# Allegro board HY_MPMB_2S12_RZ_V10A.brd (continued)
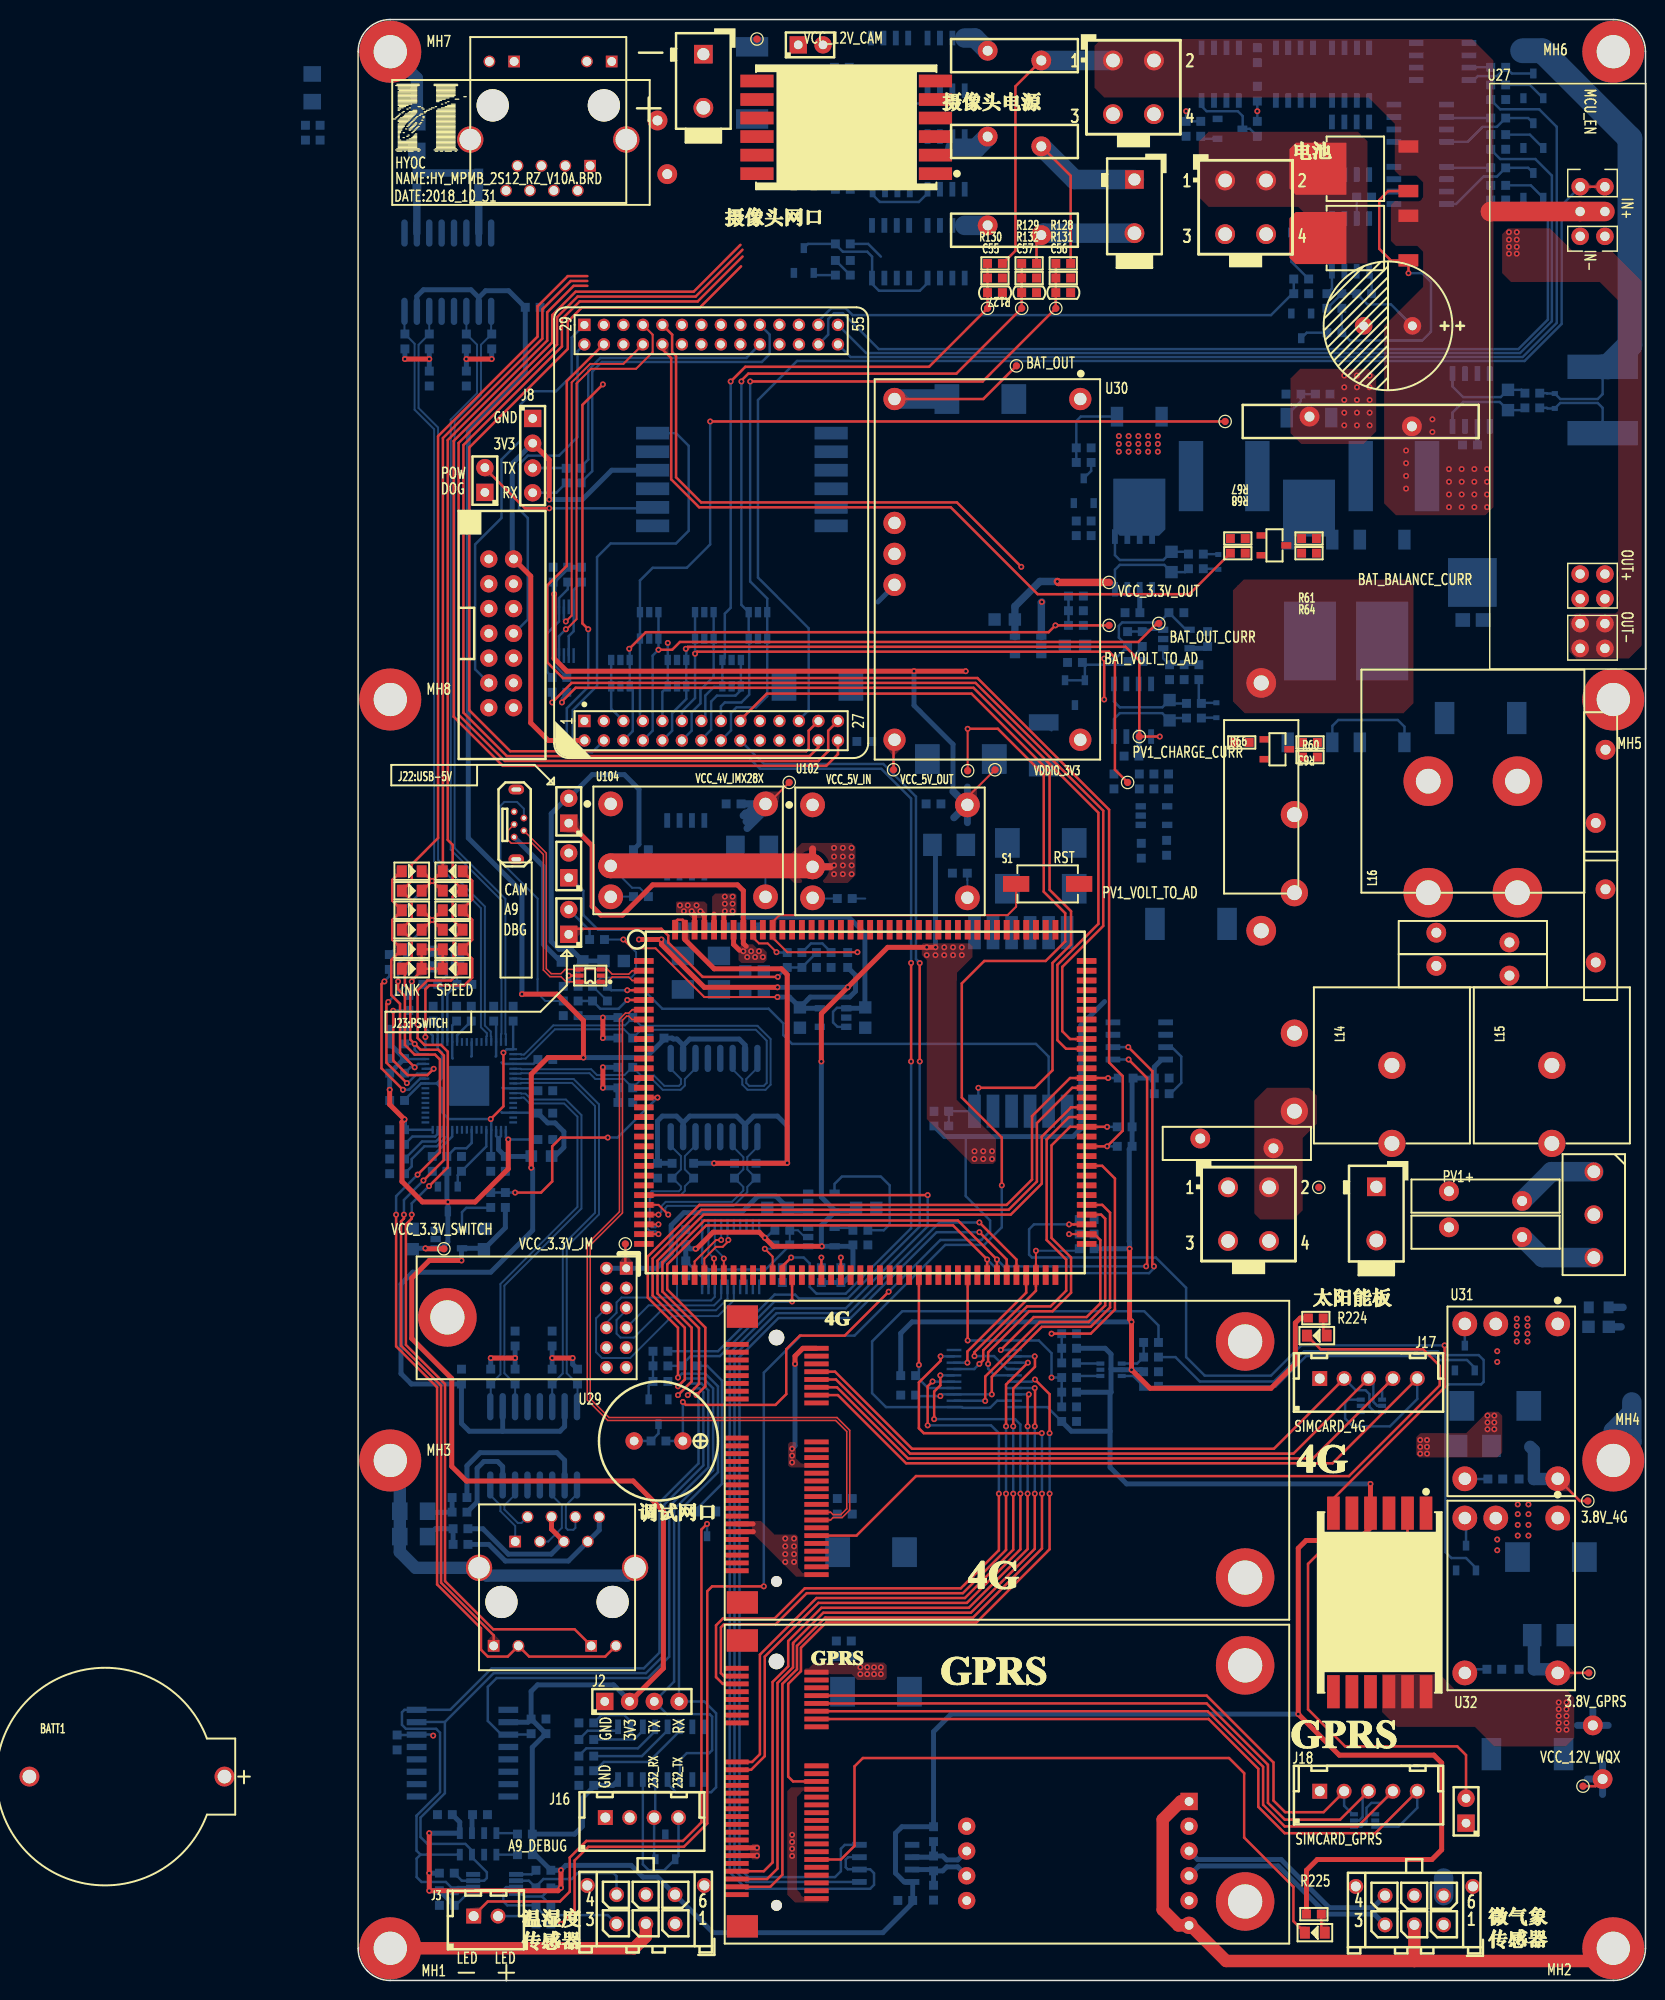
[diagram p0: board, top side]
## Routing (per net, layer and track width the routed paths; a pad name or vN(x,y) marks a point on that pad's centre or on a via; arc(x,y) is an arc through that point) (continued)
N17442473: length 4
  BOTTOM w0.254: R372.1 23.74,107.63 J23.2
N17442741: length 3.8
  BOTTOM w0.254: R373.2 46.44,106.3 47.6,106.3 48.5,105.4 C199.1
N17444856: length 3.8
  BOTTOM w0.254: v1(7.7,25.1) 7.59,25.2 6,25.2 5.96,25.16 C240.1
N17447330: length 14.9
  BOTTOM w0.508: USB1.1 19,114.2 19,106.2 20.7,104.5 L2.2
N17447385: length 2.4
  TOP w0.254: U105.5 v1(21.6,103)
  BOTTOM w0.508: v1(21.6,103) 21.6,102.46 R375.2
N17448107: length 27.6
  BOTTOM w0.203: USB1.4 17,120.1 16.3,120.8 15,120.8 14.6,120.4 14.6,114.7 18.41,110.89 18.41,102.65 18.4,102.64 18.4,101.2 19.2,100.4 R376.2
N17522411: length 35.2
  BOTTOM w1.27: J4.13 27.6,41.5 13.2,41.5 J4.14 5.9,42.3 4.28,43.92 C34.1 C33.1 4.28,52.32 MH3.1
N17531331: length 8.6
  BOTTOM w2: VSR15.1 122.35,82.9 GDT4.1
N17531348: length 8.2
  BOTTOM w2: GDT4.2 121.45,74.1 VSR16.1
N17533848: length 33.3
  TOP w0.254: Q61.1 105.61,183.41 104.7,182.5 104.7,177.5 105.9,176.3 107.67,176.3 Q63.1 107.7,176.3 v1(107.7,175)
  BOTTOM w0.254: v1(107.7,175) 109.1,175 110,174.1 110,169 109.1,168.1 101.7,168.1 100.9,168.9 R378.1 R377.1
N17533868: length 2.9
  BOTTOM w0.254: R378.2 97.27,168.9 Q62.3
N174043278: length 4.9
  BOTTOM w0.254: C7.2 24.96,27.2 27.3,27.2 27.93,26.57 U50.2

## Copper pours and planes (outline as drawn; the poured copper is in the pictures)
3.8V_4G on TOP: 108.9,56.1 113.6,56.1 115.8,58.3 116.9,58.3 117.3,57.9 117.3,54.1 116.8,53.6 108.8,53.6 108.5,53.9 108.5,55.7
3.8V_4G on TOP: 40.4,47.1 41.3,47.1 42.7,45.7 44.9,45.7 45.1,45.5 45.1,42.3 45.6,41.8 48.2,41.8 48.2,41.4 44.9,41.4 40.4,45.9
3.8V_4G on TOP: 44.3,55.2 44.1,55 44.1,52.8 44.3,52.6 48.3,52.6 48.3,53 45.4,53 44.9,53.5 44.9,55.1 44.8,55.2
3.8V_4G on BOTTOM: 115.2,58 115.5,58.3 117,58.3 117.5,57.8 117.5,56.1 120.9,56.1 121.2,55.8 121.2,53 119.8,53 119.2,53.6 115.3,53.6 115.2,53.7
3.8V_4G on BOTTOM: 43.9,42.3 43.2,43 43.2,45.4 43.5,45.7 50,45.7 50.15,45.85 50.15,49.95 50.2,50 47.4,52.8 44.2,52.8 43.9,53.1 43.9,54.9 44,55 49.4,55 55.9,48.5 105.2,48.5 107.7,51 107.7,55.5 108.1,55.9 109.6,55.9 109.9,55.6 109.9,49.9 105.8,45.8 54,45.8 50.5,42.3
3.8V_GPRS on TOP: 45.9,32 46.2,32 46.8,32.6 53.9,32.6 54.2,32.3 54.2,31 54,30.8 51.2,30.8 50.6,31.4 45.8,31.4 45.8,31.9
3.8V_GPRS on TOP: 40.4,14 41,14 41.2,13.8 41.2,12.6 41,12.4 40.3,12.4 40.2,12.5 40.2,13.8
3.8V_GPRS on TOP: 48.2,8 44.8,8 44,8.8 44,19.4 44.4,19.8 48.2,19.8 48.2,19.4 45.6,19.4 45,18.8 45,9.3 45.7,8.6 48.2,8.6
3.8V_GPRS on BOTTOM: 40.8,14.2 43.2,14.2 48.4,19.4 48.4,31.2 50.05,32.85 50.05,35.65 52.8,38.4 119.5,38.4 121.5,36.4 121.5,34.3 57.2,34.3 51,28.1 51,18.9 44.5,12.4 40.7,12.4 40.5,12.6 40.5,13.9
GND_EARTH on BOTTOM: 129.3,122.2 129.3,116.2 126.35,113.25 126.35,109.85 129.3,106.9 129.3,80.8 128.5,80 125.6,80 125,79.4 125,77.4 125.6,76.8 128.5,76.8 129.3,76 129.3,57.5 129.7,57.1 131.3,57.1 131.7,57.5 131.7,132.6 129.9,134.4 127,134.4 125.4,132.8 125.4,126.1
PV1+ on TOP, BOTTOM: 93.2,91.5 97.5,91.5 98.3,90.7 98.3,87.8 96.85,86.35 96.85,78.95 95.9,78 92.5,78 91.9,78.6 91.9,90.2
VBUS_5V on TOP: 39.4,106.2 41.1,106.2 41.9,105.4 41.9,104.6 41.6,104.3 39.3,104.3 39,104.6 39,105.8
VBUS_5V on BOTTOM: 39,102.8 39,105.9 40.4,107.3 40.4,108.5 41.3,108.5 41.3,105.9 42.3,104.9 42.3,102.9 42.2,102.8
VCC_4V_IMX28X on TOP: 36.6,111.4 38.7,111.4 38.8,111.3 38.8,109.4 38.5,109.1 36.5,109.1 36.3,109.3 36.3,111.1
VCC_4V_IMX28X on BOTTOM: 32.6,114.3 38,114.3 39.6,112.7 39.6,107.4 38.1,105.9 38.1,104.1 35.9,104.1 35.9,106.2 37.2,107.5 37.2,111.4 36.2,112.4 32.8,112.4 32.6,112.6
VCC_5V_IN on BOTTOM: 51.3,130.9 49.6,130.9 49.2,131.3 49.2,135.6 41,143.8 41,158 42.3,159.3 50.2,159.3 50.2,154.2 50.1,154.1 46.4,154.1 45.8,153.5 45.8,149.3 56.5,138.6 56.5,126.5 55.9,125.9 52.7,125.9 52.2,126.4 52.2,130
VCC_5V_OUT on BOTTOM: 57.5,130.7 57.5,149.2 56.4,150.3 54.3,150.3 52.4,148.4 46.7,148.4 46.6,148.5 46.6,153.5 46.7,153.6 51.7,153.6 53.2,155.1 60.6,155.1 61.5,154.2 61.5,134.8 63.9,132.4 67.7,132.4 69.5,134.2 69.5,136 69.6,136.1 71.4,136.1 71.8,136.5 71.8,137.2 71.5,137.5 69.5,137.5 69.5,138.1 72.8,138.1 73.1,137.8 73.1,134.4 72.2,134.4 71.9,134.1 71.9,128.8 71.1,128 60.2,128
VCC_12V_WQX on BOTTOM: 122.6,24.7 124.6,24.7 124.6,23.4 125.3,22.7 128.6,22.7 129.3,22 129.3,14 126.1,10.8 113.2,10.8 112.3,9.9 112.3,8.3 111.7,7.7 110.7,7.7 110.2,8.2 110.2,12.2 110.9,12.9 120.6,12.9 122.4,14.7 122.4,24.5
VCC_BAT_O on TOP: 87.2,189.5 102.5,189.5 103.5,188.5 103.5,176 98.1,176 97.5,176.6 97.5,180.7 96.4,181.8 87.2,181.8 86.2,182.8 86.2,188.5
VDDIO_3V3 on TOP: 32.7,110.6 35.5,110.6 35.8,110.3 35.8,109 35.7,108.9 34.2,108.9 33.9,109.2 32.9,109.2 32.6,109.5 32.6,110.5
VDDIO_3V3 on TOP: 57.9,106.3 62.7,106.3 63,106 63,104.9 61.4,103.3 61.4,90.3 65.4,86.3 65.4,84 65.1,83.7 62.9,83.7 58.3,88.3 58.3,104.6 57.8,105.1 57.8,106.2
VDDIO_3V3 on BOTTOM: 59.9,122.9 63.3,122.9 63.4,122.8 63.4,118.4 62.9,117.9 60.9,117.9 59.8,116.8 59.8,109.5 62.3,107 62.3,104.5 62.2,104.4 58.6,104.4 57.9,105.1 57.9,118.5 59.3,119.9 59.3,122.3
VDDIO_3V3 on BOTTOM: 32.2,104 34.5,104 34.6,104.1 34.6,108.6 35.4,109.4 35.4,110.3 35.1,110.6 33,110.6 32.7,110.3 32.7,109.6 33.6,108.7 33.6,107.2 32.4,106 32.1,106 32.1,104.1
VDDIO_3V3 on BOTTOM: 63,85.4 78.5,85.4 78.9,85.8 79.8,85.8 79.8,82.8 79.4,82.4 78.6,82.4 77.7,83.3 63.3,83.3 62.8,83.8 62.8,85.2
BAT1 on TOP: 105.2,169.6 109.2,173.6 109.2,177.2 108.6,177.8 106.4,177.8 105.9,178.3 105.9,182 106.3,182.4 108.8,182.4 109.2,182.8 109.2,184.3 108.5,185 106.8,185 106.3,185.5 106.3,190.3 103.6,193 76.5,193 75.5,194 75.5,198.3 76.2,199 114.2,199 116.4,196.8 116.4,151 115.6,150.2 106.4,150.2 105.2,151.4
BAT1 on BOTTOM: 110.9,140.9 116.9,140.9 116.9,155.6 116.1,156.4 111.3,156.4 110.9,156.8 110.9,160.1 110.4,160.6 107.1,160.6 106.6,160.1 106.6,152.3 110.3,148.6 110.3,141.5
BAT1+ on TOP: 96.6,165.2 103.6,165.2 104.4,164.4 104.4,158.8 103.1,157.5 96.7,157.5 95.6,158.6 95.6,164.2
BAT1+ on BOTTOM: 97.1,161.6 98.7,161.6 99.2,162.1 99.2,164.4 99.7,164.9 103.9,164.9 104.3,164.5 104.3,159.5 103.6,158.8 96.8,158.8 96.4,159.2 96.4,160.9
BAT_VOUT on BOTTOM: 121.2,67.7 121.2,57.5 121.1,57.4 118.8,57.4 118.8,59.9 115.4,63.3 115.4,67.7 116.3,68.6 120.3,68.6
BAT_VOUT on BOTTOM: 121,41.8 117.2,41.8 115.3,43.7 115.3,48.6 116.1,49.4 120.1,49.4 121,48.5
BAT_VOUT on BOTTOM: 77.4,151 77.4,158.2 77.9,158.7 82.3,158.7 82.7,158.3 82.7,151.3 82.3,150.9 77.5,150.9
E6071_AVDD_1.8V on BOTTOM: 9.5,94.9 14.2,94.9 14.9,94.2 14.9,88.8 14.1,88.8 13.9,89 13.9,94 13.7,94.2 9.6,94.2 9.5,94.3
EVEN on BOTTOM: 99.5,193.6 106.1,193.6 107,192.7 107,188.1 99.8,188.1 97.9,186.2 75.6,186.2 71.9,189.9 57.9,189.9 56.9,188.9 56.9,188.2 52.4,188.2 52.4,191 53.5,192.1 74,192.1 77.8,188.3 95.5,188.3 99.3,192.1 99.3,193.4
ODD on BOTTOM: 107.7,199.2 109.5,199.2 109.9,198.8 109.9,187.3 110.8,186.4 112.4,186.4 112.4,183.2 112.3,183.1 108.9,183.1 107.6,184.4 107.6,199.1
OUT+ on BOTTOM: 124,141.1 124.7,140.4 130.3,140.4 131.2,141.3 131.2,159.8 124,159.8
OUT- on TOP: 124.8,140.1 128.9,140.1 129.2,140.4 129.2,172.2 127.3,174.1 118.2,174.1 117.3,175 117.3,179 117.9,179.6 122.2,179.6 124.6,177.2 128.6,177.2 131.6,174.2 131.6,136.8 130.3,135.5 124.9,135.5 124.2,136.2 124.2,139.5
OUT- on BOTTOM: 100.9,186.5 106.8,186.5 107,186.3 107,183.3 109.9,180.4 118.8,180.4 119.4,179.8 119.4,176.9 119.1,176.6 109.2,176.6 103.5,182.3 103.5,183.9 103.2,184.2 100.8,184.2 100.7,184.3 100.7,186.3
N17012847 on BOTTOM: 93.8,128.4 97.7,128.4 98.3,127.8 98.3,125.6 98.7,125.2 100.8,125.2 101.2,125.6 101.2,128 101.6,128.4 105,128.4 105.5,127.9 105.5,99 100.5,94 94.8,94 92.3,96.5 92.3,101.7 87.9,106.1 87.9,109.8 88.1,110 89.6,110 90,109.6 97,109.6 98.1,110.7 98.1,120.9 96.8,122.2 94,122.2 93.1,123.1 93.1,127.7
N17012853 on TOP: 90.8,143.6 107.6,143.6 108.2,143 108.2,130.9 107.2,129.9 90.9,129.9 89.7,131.1 89.7,142.5
N17012853 on BOTTOM: 107.6,143.6 90.8,143.6 89.7,142.5 89.7,131.1 90.9,129.9 107.2,129.9 108.2,130.9 108.2,143
N17013060 on BOTTOM: 101.3,158.3 105.3,158.3 105.9,157.7 105.9,152.1 109,149 109,144.6 108.5,144.1 105.3,144.1 103.9,145.5 103.9,148.9 103.7,149.1 101.9,149.1 101.6,148.8 101.6,146 101.4,145.8 98.3,145.8 98.1,146 98.1,149.4 98.4,149.7 99.8,149.7 100.8,150.7 100.8,157.8
N17021288 on BOTTOM: 111.8,199 119.6,199 120,198.6 120,197.6 119,196.6 118.7,196.9 116.9,196.9 116.6,196.6 116.6,195.8 116.5,195.7 113,195.7 112.5,195.2 112.5,189.4 110.6,189.4 110.6,197.8
N17035371 on BOTTOM: 53.5,192.9 53.5,195.9 54.4,196.8 62.2,196.8 62.6,196.4 62.6,192.9 59.3,192.9 59.3,194.5 58.9,194.9 57.2,194.9 56.8,194.5 56.8,192.9
N17035611 on BOTTOM: 58.1,199.9 62.7,199.9 62.9,199.7 62.9,198.3 58.1,198.3
N17036093 on BOTTOM: 58.1,189.8 58.1,187.1 58.5,186.7 62.2,186.7 62.6,187.1 62.6,189.7 62.5,189.8
N17036097 on BOTTOM: 53.6,182.8 53.6,185.8 53.7,185.9 62,185.9 62.7,185.2 62.7,182.8 59.4,182.8 59.4,184.4 59,184.8 57.3,184.8 56.9,184.4 56.9,182.8
N17036537 on BOTTOM: 58,180.8 62.8,180.8 62.8,179.1 58,179.1
N17036541 on BOTTOM: 53.5,173.7 53.5,176.7 53.6,176.8 61.9,176.8 62.6,176.1 62.6,173.7 59.3,173.7 59.3,175.3 58.9,175.7 57.2,175.7 56.8,175.3 56.8,173.7
N17039909 on BOTTOM: 100.8,176.1 104.4,176.1 104.6,175.9 104.6,174.6 104.4,174.4 100.8,174.4
N17039913 on BOTTOM: 100.3,186.4 98.9,186.4 98.7,186.2 98.7,180.4 99.4,179.7 104,179.7 104,181.3 103.9,181.4 101.8,181.4 100.3,182.9
N17144817 on BOTTOM: 92.7,194.7 88,194.7 87.5,194.2 87.5,192 87.6,191.9 90.6,191.9 90.6,193.4 90.9,193.7 92.7,193.7
N17145206 on BOTTOM: 86.1,197.4 86.1,200.1 86.5,200.5 103.8,200.5 104.3,200 104.3,197.4 104.2,197.3 103.4,197.3 103.4,199.2 103.2,199.4 98.8,199.4 98.5,199.1 98.5,197.4 98.4,197.3 97.6,197.3 97.6,199.1 97.3,199.4 93.2,199.4 92.7,198.9 92.7,197.6 90.9,197.6 90.6,197.3 86.2,197.3
N17195368 on BOTTOM: 91.8,197 93,197 93.4,197.4 93.4,198.7 93.6,198.9 97,198.9 97,197 97.2,196.8 98.8,196.8 99,197 99,198.7 99.2,198.9 102.7,198.9 102.7,195.8 102,195.1 92.1,195.1 91.7,195.5 91.7,196.9
N17217572 on TOP: 116.5,24 123.8,24 124.7,24.9 124.7,29 123.8,29.9 112.4,29.9 110.9,31.4 105,31.4 105,27.5 106.5,26 114.5,26
N17217572 on BOTTOM: 128.7,24.9 128.7,28.5 128.3,28.9 122.8,28.9 122.5,28.6 122.5,25.4 123,24.9 124.8,24.9 125.4,24.3 128.1,24.3
N17392005 on TOP: 44,115.1 45.5,116.6 50.6,116.6 51,116.2 51,113.3 50.2,112.5 44.7,112.5 44,113.2
N17392005 on BOTTOM: 73.4,109.1 73.4,103.2 70.4,100.2 54,100.2 51.9,102.3 51.9,111.8 50.8,112.9 45.1,112.9 44.5,113.5 44.5,115.7 45.4,116.6 53.3,116.6 56.1,113.8 56.1,104.2 56.5,103.8 62.4,103.8 63.7,105.1 68,105.1 68.2,105.3 68.2,109.1
N17392060 on BOTTOM: 71.8,125.1 68.9,125.1 67.2,126.8 63.9,126.8 63.9,109.6 63.6,109.3 63.6,109.2 62.5,109.2 62.5,105.7 62.6,105.6 67.7,105.6 67.7,109.4 68,109.7 68,122.6 68.8,123.4 71.8,123.4
N17398149 on BOTTOM: 31.3,119.7 31.3,115.5 31.7,115.1 39.7,115.1 40.1,115.5 40.1,120.9 39.8,121.2 39,121.2 38.8,121 38.8,120 38.5,119.7
N17515374 on BOTTOM: 96.8,116.7 87.4,116.7 83.4,112.7 83.4,99.8 85.1,98.1 85.1,79.7 86.4,78.4 89.8,78.4 91,79.6 91,101.7 87.2,105.5 87.2,110.1 87.8,110.7 90.6,110.7 91.2,110.1 96.6,110.1 97.5,111 97.5,116
N17531139 on BOTTOM: 124,121.3 127.1,121.3 128.1,120.3 128.1,117.6 126.6,116.1 116,116.1 113.9,114 113.9,93 111.6,90.7 103.6,90.7 103,91.3 103,94.3 107,98.3 107,113.4 112,118.4 121.1,118.4
N17531161 on BOTTOM: 114.8,119.9 116.1,121.2 116.1,140.1 109.9,140.1 108.9,139.1 108.9,126.2 106.9,124.2 106.9,120.9 107.9,119.9
N17531208 on BOTTOM: 102.6,78.8 113.1,78.8 113.8,78.1 113.8,74.2 113.2,73.6 99.9,73.6 97.8,75.7 97.8,85 101.1,88.3 107.3,88.3 108.6,87 108.6,85.3 107.5,84.2 102.7,84.2 101.6,83.1 101.6,79.8
N17531272 on BOTTOM: 102.9,83.5 112.1,83.5 116.7,88.1 123.5,88.1 124.3,87.3 124.3,84.9 123.7,84.3 118.2,84.3 113.3,79.4 103,79.4 102.3,80.1 102.3,82.9
N17531278 on BOTTOM: 117.6,114.4 121.7,114.4 123,113.1 123,110.2 128.1,105.1 128.1,103.4 125.3,100.6 125.3,92.5 124.2,91.4 117.4,91.4 115.6,93.2 115.6,112.4

Small or netless copper shapes (teardrops, artwork), in the pictures only: 334 on TOP, 677 on BOTTOM

## Text on the board
User.Comments: CR_OP_2 | CR_SOALR_2
Ref Des/Silkscreen Top: J23:PSWITCH | J22:USB-5V | VCC_4V_IMX28X | VCC_5V_IN | VCC_5V_OUT | VDDIO_3V3 | BAT3 | VOLT | BAT2 | BAT1 | 232_RX | 232_TX | VCC_3.3V_SWITCH | DATE:2018_10_31 | LINK | HYOC | NAME:HY_MPMB_2S12_RZ_V10A.BRD | SPEED | POW | DOG | LED | GND | 3V3 | TX | RX | DBG | CAM | A9 | A9_DEBUG | VCC_3.3V_JM | VCC_12V_CAM | BAT_OUT | RST | PV1_VOLT_TO_AD | BAT_VOLT_TO_AD | VCC_3.3V_OUT | PV1_CHARGE_CURR | BAT_OUT_CURR | SIMCARD_4G | SIMCARD_GPRS | BAT_BALANCE_CURR | PV1+ | VCC_12V_WQX | 3.8V_GPRS | 3.8V_4G
DEVICE_TYPE_TOP: SCALE: NONE | Trace Width | (Mils) | Impedance | (Ohms) | Trace Spacing | "Airgap" | If the angle of PCB board outline is circular,please use this kind of break out area | If not use it,please delete it before you gerber out | If the angle of PCB board outline is right angle,please use this kind of break out area | AS usual,please use the 0.8MM stamp Via | Layers | Single Ended | Differential | A_TARGET:1.53 mm | ___ PUBI (PUBLIC INFORMATION) | ___ FIUO (HY INTERNAL USE ONLY) | ___ FCP (HY CONFIDENTIAL PROPRIETARY) | THIS DOCUMENT CONTAINS INFORMATION | PROPRIETARY TO FREESCALE AND SHALL | NOT BE USED FOR ENGINEERING DESIGN | PROCUREMENT OR MANUFACTURE IN WHOLE | OR IN PART WITHOUT THE CONSENT OF | NXP. | 1. THIS DRAWING SPECIFIES THE REQUIREMENTS FOR A | 2. THE PWB MUST BE LEAD FREE ASSEMBLY PROCESS COMPATIBLE AND MUST BE ABLE TO HANDLE | 3. BASE MATERIAL - LAMINATE AND PREPREG SHALL MEET IPC-4101B-26, 83 or 98 | Tg - MUST BE GREATER THAN OR EQUAL TO 150 DEGREES CELSIUS. | Td - MUST BE GREATER THAN OR EQUAL TO 330 DEGREES CELSIUS. | 4. COPPER FOIL WEIGHT - SEE STACKUP DETAIL 'A' | 5. CHARACTERISTIC IMPEDANCE - SEE DETAIL 'B' | 6. MINIMUM CONDUCTIVE WIDTH/SPACING TO BE .00X"/.00X" | 7. PLATING FINISH - BOTH SIDES ENIG (ELECTROLESS NICKEL IMMERSION GOLD): | 8. ALL THROUGH HOLE VIAS MAY BE PLATED SHUT. | - MUST BE UL RECOGNIZED AND MUST HAVE AN ID THAT CONFORMS TO UL94V-0 | 9. SOLDERMASK - GREEN COLOR (TAIYO OR EQUIVALENT), BOTH SIDES. | 10. SILKSCREEN - WHITE EPOXY INK, BOTH SIDES.  NO SILK ON PADS. | 11. ELECTRICAL TEST - 100% IPCD356. | 12. PRINTED WIRING BOARD IS TO BE INDIVIDUALLY BAGGED. | 13. DRC'S MUST BE RUN ON THE GERBER BEFORE BUILDING BOARDS, | UNLESS PRIOR APPROVAL IS GIVEN IN WRITING BY FREESCALE. | 14. ADD TEARDROPS TO ALL SIGNAL LAYERS. | 15. SOLDER SAMPLES TO BE PROVIDED. | 16. BASIC GRID INCREMENT AT 1:1 IS .0001. | 17. SUPPLIER MARKINGS - ON SOLDER SIDE ONLY, WHERE SHOWN. | MODIFICATION OF SOLDERMASK IS NOT ALLOWED WITHOUT WRITTEN PERMISSION FROM FREESCALE. | WITH SPECIFICATION IPC-A-600 CLASS 2 (LATEST REVISION). | A MINIMUM OF 5 CYCLES AT 260 DEGREES CELSIUS FOR 10 SECONDS. | 18. THE PWB WILL BE MARKED AS LEAD FREE BY USE OF AN INK STAMP Pb | 19. THE PWB WILL BE MARKED AS LEAD FREE PROCESS COMPATIBLE BY USE OF AN INK STAMP 260 C | 21. FINISHED PCB MUST BE PANELIZED FOR ASSEMBLY ACCORDING TO CONTRACT MANUFACTURING REQUIREMENT. | ADDITION OF .25" RAILS AND .125" NON-PLATED TOOLING HOLES ARE AT THE DISCRETION | OF CONTRACT MANUFACTURER AND FAB HOUSE. | PANELIZATION MUST BE APPROVED BY FREESCALE. | 2.540-6.350 MICRON (100-250 MICROINCH) OF NICKEL. | .05080-.232 MICRON (2-8 MICROINCH) OF GOLD OVER | PRINTED WIRING BOARD IN ACCORDANCE | NO.2, XinYe Road, West High-Tech Zone, ChengDu, Sichuan | 20. ALL PLATED AND NON-PLATED THROUGH HOLES ARE TO BE DRILLED AT PRIMARY DRILL STEP. | ALL HOLE LOCATION TOLERANCES ARE TO BE +/-.002 IN REFERENCE TO THE PRIMARY DATUM. | X | XXXLZJXXX | V10A | 18-10-31 | JLC:  1.6mm THK +/- 10% | LAYER 1  TOP SIDE          1oz+plating | LAYER 4  BOTTOM SIDE       1oz+plating | FINISHED Cu WEIGHT | NO-***** | 1/1 | CAD-***** | 1 | DETAIL A | LAYER STACKUP | DETAIL B | IMPEDANCE REQUIREMENTS | IMPEDANCE TOLERANCE IS 10% | HY_MPMB_2S12_RZ_V10A | FAB-***** | A2 | HYOC
